# Altium PCB 10515.0500_Display_System（6拼版）_V1.0_20200907.PcbDoc (part 9 of 13)
Units mm, origin at the board's own origin, x right, y up, seen from the top; angles counter-clockwise.
Board outline 157 x 228.4 mm, 4 copper layers (Top Layer, Mid-Layer 1, Mid-Layer 2, Bottom Layer); 516 components, 0 nets, 1971 pads, 894 vias.
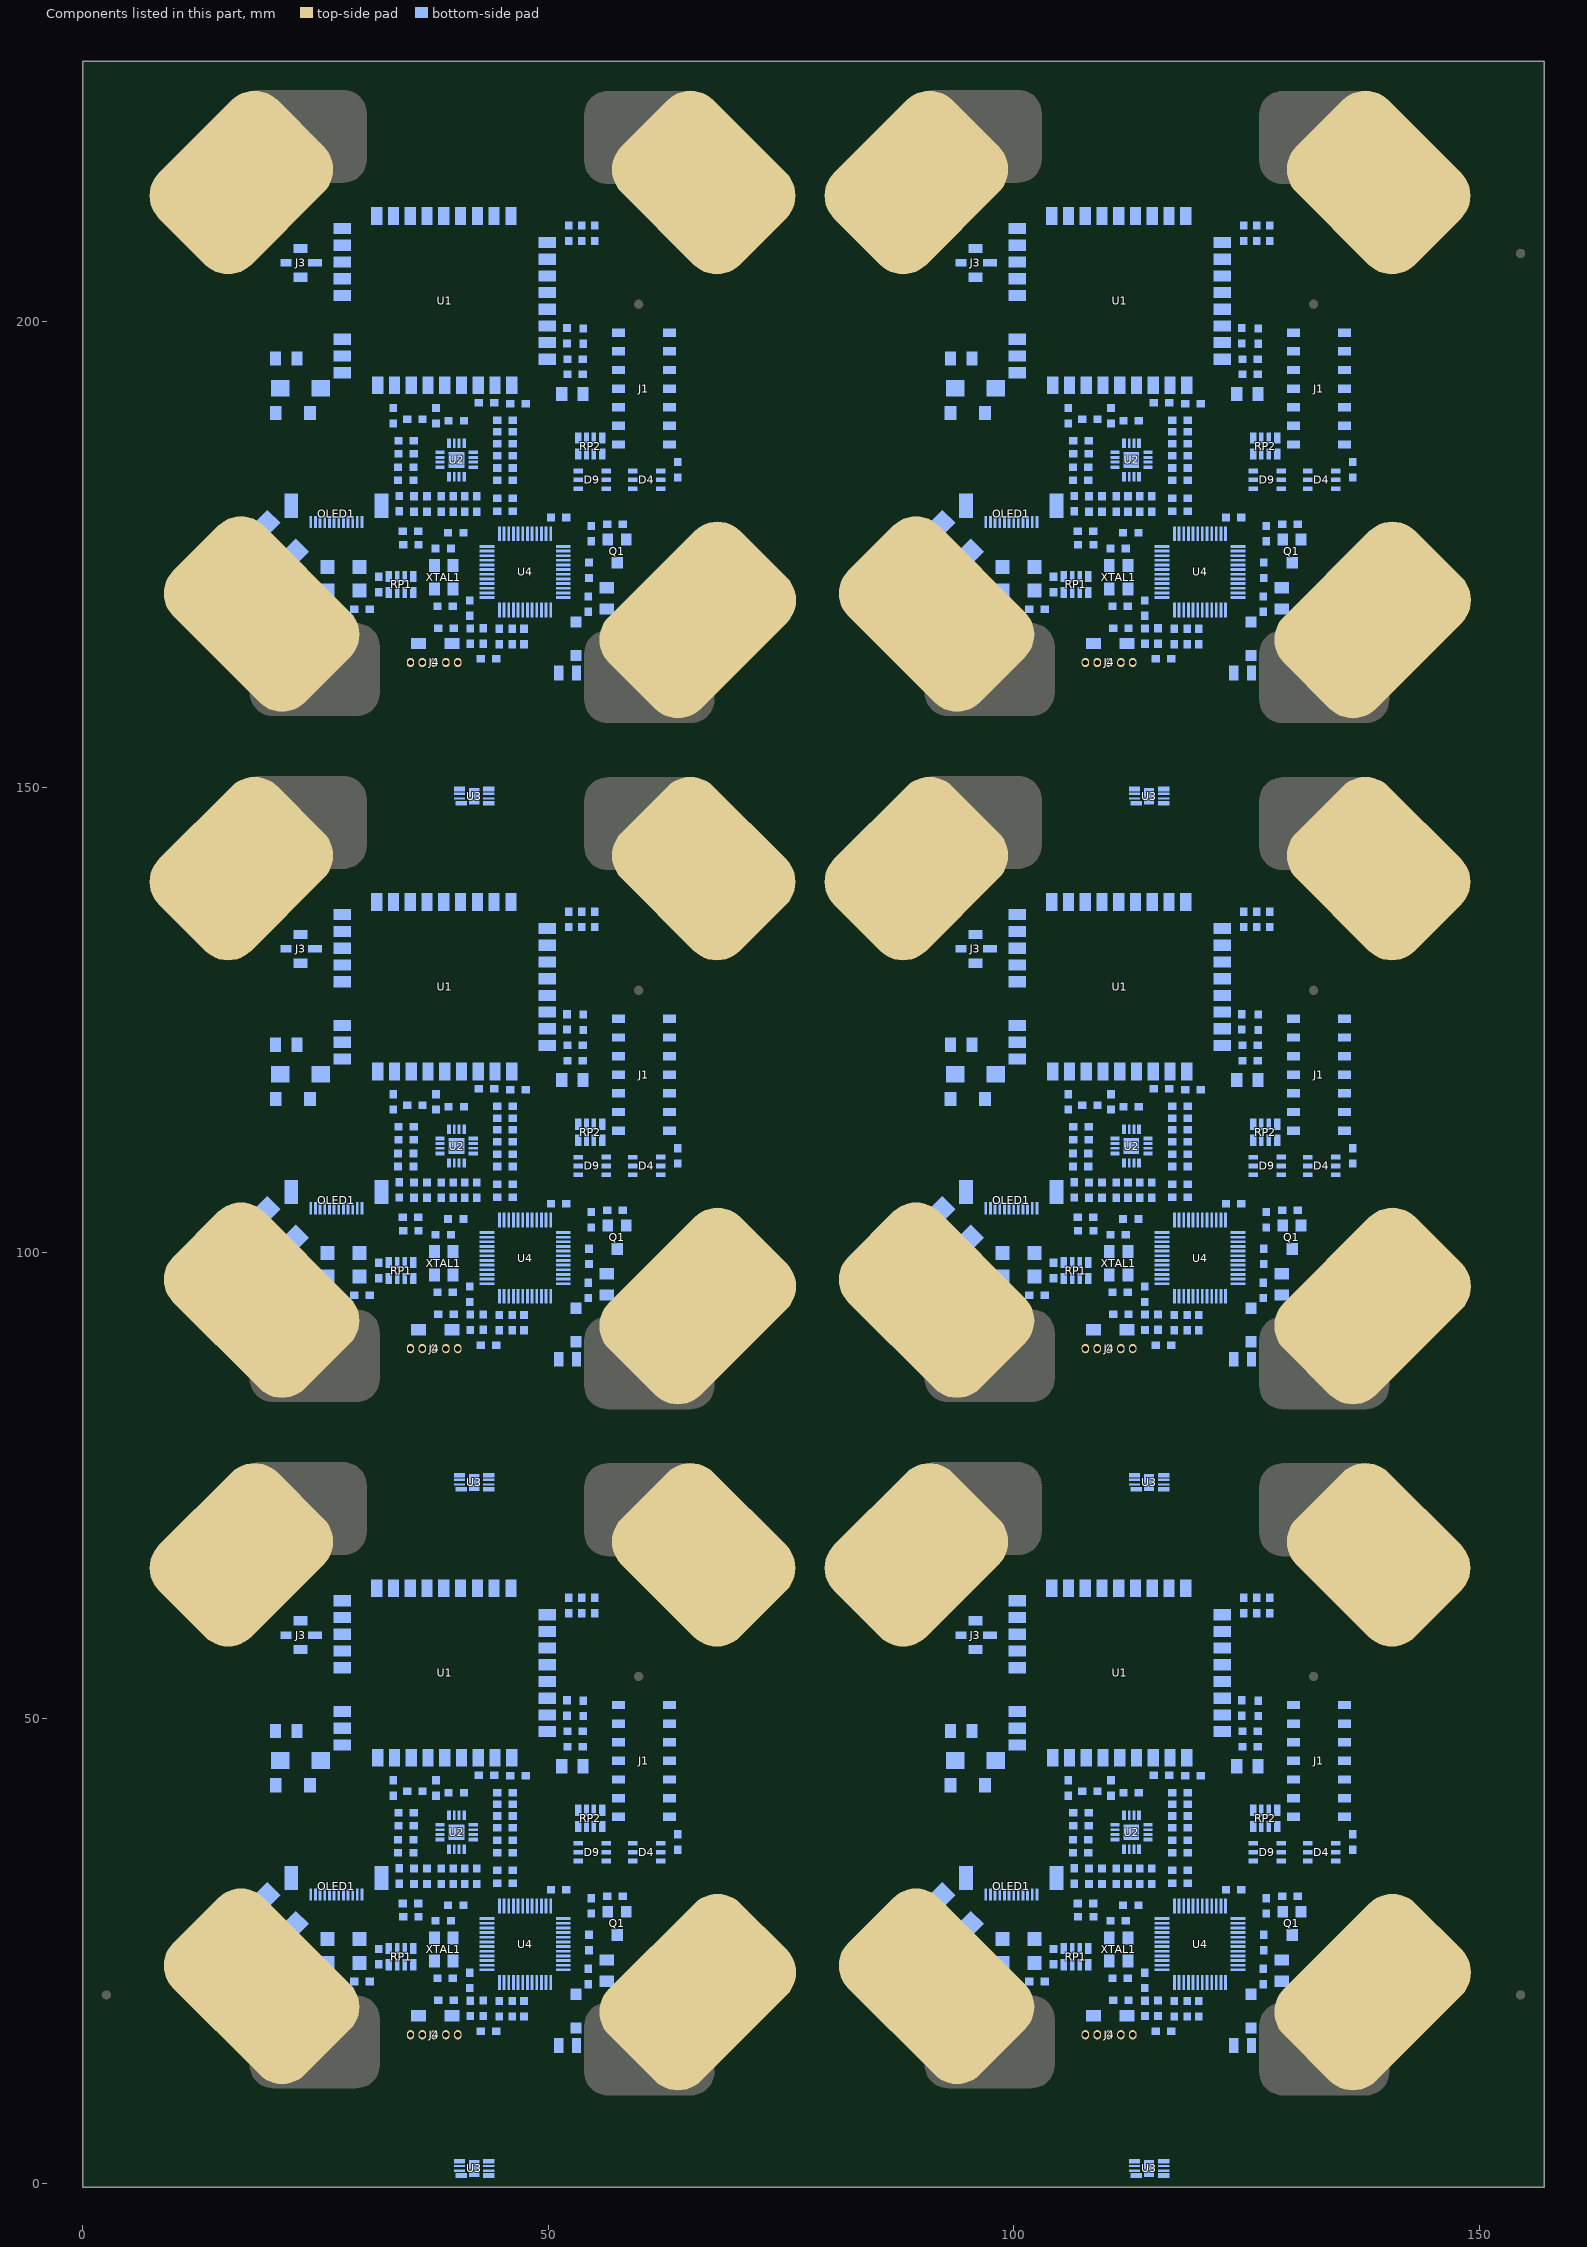
[diagram p11: the components of this part, seen from the top]

## Via types
v1: diameter 0.7, hole 0.4, Top Layer to Bottom Layer, tented both sides, 894 vias

## Nets (pads, with @x,y where several pads share a name; then routed paths per layer and width w, separated by ;. In a path a pad name is that pad's centre, name@x,y a point inside that pad or via, vN(x,y) a via of type N, cw(c..) or ccw(c..) an arc to the next point about the centre after c; other vN are vias at no path point) (continued)
copper on no net: (continued)
  Bottom Layer w0.25: 57.758,21.907 58.202,21.463 ; 57.758,95.607 58.202,95.163 ; 57.758,169.307 58.202,168.863 ; 57.948,21.717 58.202,21.463 ; 57.948,21.717 57.948,21.971 ; 57.948,21.971 58.075,21.844 ; 57.948,95.417 58.202,95.163 ; 57.948,95.417 57.948,95.671 ; 57.948,95.671 58.075,95.544 ; 57.948,169.117 58.202,168.863 ; 57.948,169.117 57.948,169.371 ; 57.948,169.371 58.075,169.244 ; 58.075,21.844 58.456,21.463 58.583,21.463 ; 58.075,95.544 58.456,95.163 58.583,95.163 ; 58.075,169.244 58.456,168.863 58.583,168.863 ; 58.202,21.463 58.583,21.463 ; 58.202,95.163 58.583,95.163 ; 58.202,168.863 58.583,168.863 ; 94.634,68.834 96.158,67.31 128.67,67.31 ; 94.634,142.534 96.158,141.01 128.67,141.01 ; 94.634,216.234 96.158,214.71 128.67,214.71 ; 94.787,57.378 94.354,57.811 94.354,58.928 94.354,59.918 94.914,60.478 ; 94.787,131.078 94.354,131.511 94.354,132.628 94.354,133.618 94.914,134.178 ; 94.787,204.778 94.354,205.211 94.354,206.328 94.354,207.318 94.914,207.878 ; 98.008,28.503 98.698,27.813 ; 98.008,102.203 98.698,101.513 ; 98.008,175.903 98.698,175.213 ; 98.698,27.813 98.952,27.559 ; 98.698,101.513 98.952,101.259 ; 98.698,175.213 98.952,174.959 ; 102.508,31.076 102.674,31.076 ; 102.508,31.076 102.801,31.076 103.016,30.861 ; 102.508,104.776 102.674,104.776 ; 102.508,104.776 102.801,104.776 103.016,104.561 ; 102.508,178.476 102.674,178.476 ; 102.508,178.476 102.801,178.476 103.016,178.261 ; 102.674,31.076 102.674,32.484 102.762,32.572 ; 102.674,104.776 102.674,106.184 102.762,106.272 ; 102.674,178.476 102.674,179.884 102.762,179.972 ; 102.762,32.258 102.762,32.572 ; 102.762,32.258 102.762,31.115 103.016,30.861 ; 102.762,105.958 102.762,106.272 ; 102.762,105.958 102.762,104.815 103.016,104.561 ; 102.762,179.658 102.762,179.972 ; 102.762,179.658 102.762,178.515 103.016,178.261 ; 104.032,29.972 104.413,29.972 ; 104.032,103.672 104.413,103.672 ; 104.032,177.372 104.413,177.372 ; 109.747,32.194 v1@110.382,32.194 ; 109.747,105.894 v1@110.382,105.894 ; 109.747,179.594 v1@110.382,179.594 ; 114.553,1.631 114.787,1.397 ; 114.553,75.331 114.787,75.097 ; 114.553,149.031 114.787,148.797 ; 118.637,19.431 118.637,19.621 ; 118.637,93.131 118.637,93.321 ; 118.637,166.831 118.637,167.021 ; 128.67,67.31 129.305,67.31 ; 128.67,141.01 129.305,141.01 ; 128.67,214.71 129.305,214.71 ; 129.305,66.929 129.305,67.31 ; 129.305,140.629 129.305,141.01 ; 129.305,214.329 129.305,214.71 ; v1@130.067,22.352 130.575,21.844 ; v1@130.067,96.052 130.575,95.544 ; v1@130.067,169.752 130.575,169.244 ; 130.258,21.907 130.702,21.463 ; 130.258,95.607 130.702,95.163 ; 130.258,169.307 130.702,168.863 ; 130.448,21.717 130.702,21.463 ; 130.448,21.717 130.448,21.971 ; 130.448,21.971 130.575,21.844 ; 130.448,95.417 130.702,95.163 ; 130.448,95.417 130.448,95.671 ; 130.448,95.671 130.575,95.544 ; 130.448,169.117 130.702,168.863 ; 130.448,169.117 130.448,169.371 ; 130.448,169.371 130.575,169.244 ; 130.575,21.844 130.956,21.463 131.083,21.463 ; 130.575,95.544 130.956,95.163 131.083,95.163 ; 130.575,169.244 130.956,168.863 131.083,168.863 ; 130.702,21.463 131.083,21.463 ; 130.702,95.163 131.083,95.163 ; 130.702,168.863 131.083,168.863 ; v1@57.576,22 cw(c57.607,21.249) 58.139,21.781 ccw(c57.607,21.249) v1@57.576,22 ; v1@57.576,95.7 cw(c57.607,94.949) 58.139,95.481 ccw(c57.607,94.949) v1@57.576,95.7 ; v1@57.576,169.4 cw(c57.607,168.649) 58.139,169.181 ccw(c57.607,168.649) v1@57.576,169.4 ; v1@130.076,22 cw(c130.107,21.249) 130.639,21.781 ccw(c130.107,21.249) v1@130.076,22 ; v1@130.076,95.7 cw(c130.107,94.949) 130.639,95.481 ccw(c130.107,94.949) v1@130.076,95.7 ; v1@130.076,169.4 cw(c130.107,168.649) 130.639,169.181 ccw(c130.107,168.649) v1@130.076,169.4
  Bottom Layer w0.3: 22.681,27.257 cw(c22.203,26.439) 23.15,26.439 cw(c24.36,26.439) 23.557,27.343 ; 22.681,100.957 cw(c22.203,100.139) 23.15,100.139 cw(c24.36,100.139) 23.557,101.043 ; 22.681,174.657 cw(c22.203,173.839) 23.15,173.839 cw(c24.36,173.839) 23.557,174.743 ; 22.832,27.516 cw(c22.508,26.961) 23.15,26.961 ; 22.832,101.216 cw(c22.508,100.661) 23.15,100.661 ; 22.832,174.916 cw(c22.508,174.361) 23.15,174.361 ; 22.878,27.176 cw(c22.591,26.017) 23.785,26.017 ; 22.878,100.876 cw(c22.591,99.717) 23.785,99.717 ; 22.878,174.576 cw(c22.591,173.417) 23.785,173.417 ; 22.893,27.486 cw(c22.219,25.781) 24.052,25.781 ; 22.893,101.186 cw(c22.219,99.481) 24.052,99.481 ; 22.893,174.886 cw(c22.219,173.181) 24.052,173.181 ; 22.951,27.467 cw(c22.686,26.4) 23.785,26.4 ; 22.951,101.167 cw(c22.686,100.1) 23.785,100.1 ; 22.951,174.867 cw(c22.686,173.8) 23.785,173.8 ; 22.988,27.975 23.785,27.178 ; 22.988,101.675 23.785,100.878 ; 22.988,175.375 23.785,174.578 ; 23.004,27.765 cw(c22.393,26.223) 24.052,26.223 ; 23.004,101.465 cw(c22.393,99.923) 24.052,99.923 ; 23.004,175.165 cw(c22.393,173.623) 24.052,173.623 ; 23.023,27.759 cw(c22.781,26.784) 23.785,26.784 ; 23.023,101.459 cw(c22.781,100.484) 23.785,100.484 ; 23.023,175.159 cw(c22.781,174.184) 23.785,174.184 ; 23.095,28.05 cw(c22.876,27.167) 23.785,27.167 ; 23.095,101.75 cw(c22.876,100.867) 23.785,100.867 ; 23.095,175.45 cw(c22.876,174.567) 23.785,174.567 ; 23.114,28.044 cw(c22.568,26.664) 24.052,26.664 ; 23.114,101.744 cw(c22.568,100.364) 24.052,100.364 ; 23.114,175.444 cw(c22.568,174.064) 24.052,174.064 ; 23.15,26.797 23.595,26.352 23.595,26.797 ; 23.15,27.686 23.15,26.441 24.052,25.54 ; 23.15,100.497 23.595,100.052 23.595,100.497 ; 23.15,101.386 23.15,100.141 24.052,99.24 ; 23.15,174.197 23.595,173.752 23.595,174.197 ; 23.15,175.086 23.15,173.841 24.052,172.94 ; 23.225,28.323 cw(c22.743,27.105) 24.052,27.105 ; 23.225,102.023 cw(c22.743,100.805) 24.052,100.805 ; 23.225,175.723 cw(c22.743,174.505) 24.052,174.505 ; 23.335,28.602 cw(c22.918,27.547) 24.052,27.547 ; 23.335,102.302 cw(c22.918,101.247) 24.052,101.247 ; 23.335,176.002 cw(c22.918,174.947) 24.052,174.947 ; 23.404,26.797 23.595,26.797 ; 23.404,27.051 23.595,27.051 ; 23.404,100.497 23.595,100.497 ; 23.404,100.751 23.595,100.751 ; 23.404,174.197 23.595,174.197 ; 23.404,174.451 23.595,174.451 ; 23.595,27.241 23.595,27.051 ; 23.595,100.941 23.595,100.751 ; 23.595,174.641 23.595,174.451 ; 23.785,26.162 23.785,27.178 ; 23.785,99.862 23.785,100.878 ; 23.785,173.562 23.785,174.578 ; 23.912,26.035 23.912,27.051 23.785,27.178 ; 23.912,99.735 23.912,100.751 23.785,100.878 ; 23.912,173.435 23.912,174.451 23.785,174.578 ; 24.052,27.813 24.052,25.54 ; 24.052,101.513 24.052,99.24 ; 24.052,175.213 24.052,172.94 ; 24.538,25.053 ccw(c26.3,26.816) 26.3,24.324 ; 24.538,98.753 ccw(c26.3,100.516) 26.3,98.024 ; 24.538,172.453 ccw(c26.3,174.216) 26.3,171.724 ; 25.008,29.972 24.801,29.765 24.801,25.527 26.3,24.028 ; 25.008,31.076 25.008,25.32 26.046,24.282 ; 25.008,103.672 24.801,103.465 24.801,99.227 26.3,97.728 ; 25.008,104.776 25.008,99.02 26.046,97.982 ; 25.008,177.372 24.801,177.165 24.801,172.927 26.3,171.428 ; 25.008,178.476 25.008,172.72 26.046,171.682 ; 25.05,24.541 ccw(c26.3,25.791) 26.3,24.024 ; 25.05,98.241 ccw(c26.3,99.491) 26.3,97.724 ; 25.05,171.941 ccw(c26.3,173.191) 26.3,171.424 ; 25.562,24.029 ccw(c26.3,24.767) 26.3,23.724 ; 25.562,97.729 ccw(c26.3,98.467) 26.3,97.424 ; 25.562,171.429 ccw(c26.3,172.167) 26.3,171.124 ; 25.582,24.01 cw(c25.295,23.724) 25.7,23.724 ; 25.582,97.71 cw(c25.295,97.424) 25.7,97.424 ; 25.582,171.41 cw(c25.295,171.124) 25.7,171.124 ; 26.579,23.216 26.478,23.114 24.052,25.54 ; 26.579,96.916 26.478,96.814 24.052,99.24 ; 26.579,170.616 26.478,170.514 24.052,172.94 ; v1@40.662,8.368 cw(c40.32,8.026) 40.803,8.026 cw(c41.286,8.026) v1@40.945,8.368 ; v1@40.662,82.068 cw(c40.32,81.726) 40.803,81.726 cw(c41.286,81.726) v1@40.945,82.068 ; v1@40.662,155.768 cw(c40.32,155.426) 40.803,155.426 cw(c41.286,155.426) v1@40.945,155.768 ; v1(40.803,8.509) 40.803,4.699 41.311,4.191 43.47,4.191 43.63,4.031 43.63,2.54 ; v1(40.803,82.209) 40.803,78.399 41.311,77.891 43.47,77.891 43.63,77.731 43.63,76.24 ; v1(40.803,155.909) 40.803,152.099 41.311,151.591 43.47,151.591 43.63,151.431 43.63,149.94 ; 95.181,27.257 cw(c94.703,26.439) 95.65,26.439 cw(c96.86,26.439) 96.057,27.343 ; 95.181,100.957 cw(c94.703,100.139) 95.65,100.139 cw(c96.86,100.139) 96.057,101.043 ; 95.181,174.657 cw(c94.703,173.839) 95.65,173.839 cw(c96.86,173.839) 96.057,174.743 ; 95.332,27.516 cw(c95.008,26.961) 95.65,26.961 ; 95.332,101.216 cw(c95.008,100.661) 95.65,100.661 ; 95.332,174.916 cw(c95.008,174.361) 95.65,174.361 ; 95.378,27.176 cw(c95.091,26.017) 96.285,26.017 ; 95.378,100.876 cw(c95.091,99.717) 96.285,99.717 ; 95.378,174.576 cw(c95.091,173.417) 96.285,173.417 ; 95.393,27.486 cw(c94.719,25.781) 96.552,25.781 ; 95.393,101.186 cw(c94.719,99.481) 96.552,99.481 ; 95.393,174.886 cw(c94.719,173.181) 96.552,173.181 ; 95.451,27.467 cw(c95.186,26.4) 96.285,26.4 ; 95.451,101.167 cw(c95.186,100.1) 96.285,100.1 ; 95.451,174.867 cw(c95.186,173.8) 96.285,173.8 ; 95.488,27.975 96.285,27.178 ; 95.488,101.675 96.285,100.878 ; 95.488,175.375 96.285,174.578 ; 95.504,27.765 cw(c94.893,26.223) 96.552,26.223 ; 95.504,101.465 cw(c94.893,99.923) 96.552,99.923 ; 95.504,175.165 cw(c94.893,173.623) 96.552,173.623 ; 95.523,27.759 cw(c95.281,26.784) 96.285,26.784 ; 95.523,101.459 cw(c95.281,100.484) 96.285,100.484 ; 95.523,175.159 cw(c95.281,174.184) 96.285,174.184 ; 95.595,28.05 cw(c95.376,27.167) 96.285,27.167 ; 95.595,101.75 cw(c95.376,100.867) 96.285,100.867 ; 95.595,175.45 cw(c95.376,174.567) 96.285,174.567 ; 95.614,28.044 cw(c95.068,26.664) 96.552,26.664 ; 95.614,101.744 cw(c95.068,100.364) 96.552,100.364 ; 95.614,175.444 cw(c95.068,174.064) 96.552,174.064 ; 95.65,26.797 96.095,26.352 96.095,26.797 ; 95.65,27.686 95.65,26.441 96.552,25.54 ; 95.65,100.497 96.095,100.052 96.095,100.497 ; 95.65,101.386 95.65,100.141 96.552,99.24 ; 95.65,174.197 96.095,173.752 96.095,174.197 ; 95.65,175.086 95.65,173.841 96.552,172.94 ; 95.725,28.323 cw(c95.243,27.105) 96.552,27.105 ; 95.725,102.023 cw(c95.243,100.805) 96.552,100.805 ; 95.725,175.723 cw(c95.243,174.505) 96.552,174.505 ; 95.835,28.602 cw(c95.418,27.547) 96.552,27.547 ; 95.835,102.302 cw(c95.418,101.247) 96.552,101.247 ; 95.835,176.002 cw(c95.418,174.947) 96.552,174.947 ; 95.904,26.797 96.095,26.797 ; 95.904,27.051 96.095,27.051 ; 95.904,100.497 96.095,100.497 ; 95.904,100.751 96.095,100.751 ; 95.904,174.197 96.095,174.197 ; 95.904,174.451 96.095,174.451 ; 96.095,27.241 96.095,27.051 ; 96.095,100.941 96.095,100.751 ; 96.095,174.641 96.095,174.451 ; 96.285,26.162 96.285,27.178 ; 96.285,99.862 96.285,100.878 ; 96.285,173.562 96.285,174.578 ; 96.412,26.035 96.412,27.051 96.285,27.178 ; 96.412,99.735 96.412,100.751 96.285,100.878 ; 96.412,173.435 96.412,174.451 96.285,174.578 ; 96.552,27.813 96.552,25.54 ; 96.552,101.513 96.552,99.24 ; 96.552,175.213 96.552,172.94 ; 97.038,25.053 ccw(c98.8,26.816) 98.8,24.324 ; 97.038,98.753 ccw(c98.8,100.516) 98.8,98.024 ; 97.038,172.453 ccw(c98.8,174.216) 98.8,171.724 ; 97.508,29.972 97.301,29.765 97.301,25.527 98.8,24.028 ; 97.508,31.076 97.508,25.32 98.546,24.282 ; 97.508,103.672 97.301,103.465 97.301,99.227 98.8,97.728 ; 97.508,104.776 97.508,99.02 98.546,97.982 ; 97.508,177.372 97.301,177.165 97.301,172.927 98.8,171.428 ; 97.508,178.476 97.508,172.72 98.546,171.682 ; 97.55,24.541 ccw(c98.8,25.791) 98.8,24.024 ; 97.55,98.241 ccw(c98.8,99.491) 98.8,97.724 ; 97.55,171.941 ccw(c98.8,173.191) 98.8,171.424 ; 98.062,24.029 ccw(c98.8,24.767) 98.8,23.724 ; 98.062,97.729 ccw(c98.8,98.467) 98.8,97.424 ; 98.062,171.429 ccw(c98.8,172.167) 98.8,171.124 ; 98.082,24.01 cw(c97.795,23.724) 98.2,23.724 ; 98.082,97.71 cw(c97.795,97.424) 98.2,97.424 ; 98.082,171.41 cw(c97.795,171.124) 98.2,171.124 ; 99.079,23.216 98.978,23.114 96.552,25.54 ; 99.079,96.916 98.978,96.814 96.552,99.24 ; 99.079,170.616 98.978,170.514 96.552,172.94 ; v1@113.162,8.368 cw(c112.82,8.026) 113.303,8.026 cw(c113.786,8.026) v1@113.445,8.368 ; v1@113.162,82.068 cw(c112.82,81.726) 113.303,81.726 cw(c113.786,81.726) v1@113.445,82.068 ; v1@113.162,155.768 cw(c112.82,155.426) 113.303,155.426 cw(c113.786,155.426) v1@113.445,155.768 ; v1(113.303,8.509) 113.303,4.699 113.811,4.191 115.97,4.191 116.13,4.031 116.13,2.54 ; v1(113.303,82.209) 113.303,78.399 113.811,77.891 115.97,77.891 116.13,77.731 116.13,76.24 ; v1(113.303,155.909) 113.303,152.099 113.811,151.591 115.97,151.591 116.13,151.431 116.13,149.94 ; 23.595,26.797 23.595,27.051 ; 23.595,100.497 23.595,100.751 ; 23.595,174.197 23.595,174.451 ; 25.7,23.724 ccw(c23.517,23.724) 25.061,25.268 cw(c23.517,23.724) 25.7,23.724 ; 25.7,97.424 ccw(c23.517,97.424) 25.061,98.968 cw(c23.517,97.424) 25.7,97.424 ; 25.7,171.124 ccw(c23.517,171.124) 25.061,172.668 cw(c23.517,171.124) 25.7,171.124 ; 26.3,23.724 26.3,24.028 ; 26.3,23.724 26.3,24.028 ; 26.3,24.324 cw(c26.3,25.037) 25.796,24.533 ccw(c26.3,25.037) 26.3,24.324 ; 26.3,97.424 26.3,97.728 ; 26.3,97.424 26.3,97.728 ; 26.3,98.024 cw(c26.3,98.737) 25.796,98.233 ccw(c26.3,98.737) 26.3,98.024 ; 26.3,171.124 26.3,171.428 ; 26.3,171.124 26.3,171.428 ; 26.3,171.724 cw(c26.3,172.437) 25.796,171.933 ccw(c26.3,172.437) 26.3,171.724 ; 96.095,26.797 96.095,27.051 ; 96.095,100.497 96.095,100.751 ; 96.095,174.197 96.095,174.451 ; 98.2,23.724 ccw(c96.017,23.724) 97.561,25.268 cw(c96.017,23.724) 98.2,23.724 ; 98.2,97.424 ccw(c96.017,97.424) 97.561,98.968 cw(c96.017,97.424) 98.2,97.424 ; 98.2,171.124 ccw(c96.017,171.124) 97.561,172.668 cw(c96.017,171.124) 98.2,171.124 ; 98.8,23.724 98.8,24.028 ; 98.8,23.724 98.8,24.028 ; 98.8,24.324 cw(c98.8,25.037) 98.296,24.533 ccw(c98.8,25.037) 98.8,24.324 ; 98.8,97.424 98.8,97.728 ; 98.8,97.424 98.8,97.728 ; 98.8,98.024 cw(c98.8,98.737) 98.296,98.233 ccw(c98.8,98.737) 98.8,98.024 ; 98.8,171.124 98.8,171.428 ; 98.8,171.124 98.8,171.428 ; 98.8,171.724 cw(c98.8,172.437) 98.296,171.933 ccw(c98.8,172.437) 98.8,171.724 ; 25.573,24.755 cw(c24.541,23.724) 26,23.724 ccw(c24.541,23.724) 25.573,24.755 ; 25.573,98.455 cw(c24.541,97.424) 26,97.424 ccw(c24.541,97.424) 25.573,98.455 ; 25.573,172.155 cw(c24.541,171.124) 26,171.124 ccw(c24.541,171.124) 25.573,172.155 ; 98.073,24.755 cw(c97.041,23.724) 98.5,23.724 ccw(c97.041,23.724) 98.073,24.755 ; 98.073,98.455 cw(c97.041,97.424) 98.5,97.424 ccw(c97.041,97.424) 98.073,98.455 ; 98.073,172.155 cw(c97.041,171.124) 98.5,171.124 ccw(c97.041,171.124) 98.073,172.155
  Bottom Layer w0.35: 62.091,36.576 63.219,36.576 63.917,35.877 ; 62.091,110.276 63.219,110.276 63.917,109.577 ; 62.091,183.976 63.219,183.976 63.917,183.277 ; 63.262,41.482 cw(c63.543,41.066) 63.898,41.421 ; 63.262,115.182 cw(c63.543,114.766) 63.898,115.121 ; 63.262,188.882 cw(c63.543,188.466) 63.898,188.821 ; 63.301,41.494 cw(c63.349,40.349) 64.16,41.16 ; 63.301,115.194 cw(c63.349,114.049) 64.16,114.86 ; 63.301,188.894 cw(c63.349,187.749) 64.16,188.56 ; 63.304,41.144 cw(c63.304,39.961) 64.14,40.798 ; 63.304,114.844 cw(c63.304,113.661) 64.14,114.498 ; 63.304,188.544 cw(c63.304,187.361) 64.14,188.198 ; 63.457,36.338 ccw(c63.917,36.798) 63.917,36.147 ; 63.458,41.192 cw(c63.785,40.709) 64.198,41.121 ; 63.457,110.038 ccw(c63.917,110.498) 63.917,109.847 ; 63.458,114.892 cw(c63.785,114.409) 64.198,114.821 ; 63.457,183.738 ccw(c63.917,184.198) 63.917,183.547 ; 63.458,188.592 cw(c63.785,188.109) 64.198,188.521 ; 63.513,41.241 cw(c63.9,40.911) 63.9,41.419 ; 63.513,41.598 ccw(c63.9,41.928) 63.9,41.419 ; 63.513,114.941 cw(c63.9,114.611) 63.9,115.119 ; 63.513,115.298 ccw(c63.9,115.628) 63.9,115.119 ; 63.513,188.641 cw(c63.9,188.311) 63.9,188.819 ; 63.513,188.998 ccw(c63.9,189.328) 63.9,188.819 ; 63.549,36.246 cw(c63.219,35.916) 63.686,35.916 ; 63.549,109.946 cw(c63.219,109.616) 63.686,109.616 ; 63.549,183.646 cw(c63.219,183.316) 63.686,183.316 ; 63.754,37.73 ccw(c62.132,39.352) 64.425,39.352 ; 63.754,111.43 ccw(c62.132,113.052) 64.425,113.052 ; 63.754,185.13 ccw(c62.132,186.752) 64.425,186.752 ; 63.917,37.529 64.425,38.036 64.425,40.894 63.9,41.419 ; 63.917,111.228 64.425,111.736 64.425,114.594 63.9,115.119 ; 63.917,184.928 64.425,185.436 64.425,188.294 63.9,188.819 ; 64.001,37.483 ccw(c62.977,38.507) 64.425,38.507 ; 64.001,111.183 ccw(c62.977,112.207) 64.425,112.207 ; 64.001,184.883 ccw(c62.977,185.907) 64.425,185.907 ; 64.425,40.513 63.519,41.419 63.054,41.419 63.9,41.419 ; 64.425,114.213 63.519,115.119 63.054,115.119 63.9,115.119 ; 64.425,187.913 63.519,188.819 63.054,188.819 63.9,188.819 ; 134.591,36.576 135.719,36.576 136.417,35.877 ; 134.591,110.276 135.719,110.276 136.417,109.577 ; 134.591,183.976 135.719,183.976 136.417,183.277 ; 135.762,41.482 cw(c136.043,41.066) 136.398,41.421 ; 135.762,115.182 cw(c136.043,114.766) 136.398,115.121 ; 135.762,188.882 cw(c136.043,188.466) 136.398,188.821 ; 135.801,41.494 cw(c135.849,40.349) 136.66,41.16 ; 135.801,115.194 cw(c135.849,114.049) 136.66,114.86 ; 135.801,188.894 cw(c135.849,187.749) 136.66,188.56 ; 135.804,41.144 cw(c135.804,39.961) 136.64,40.798 ; 135.804,114.844 cw(c135.804,113.661) 136.64,114.498 ; 135.804,188.544 cw(c135.804,187.361) 136.64,188.198 ; 135.957,36.338 ccw(c136.417,36.798) 136.417,36.147 ; 135.957,110.038 ccw(c136.417,110.498) 136.417,109.847 ; 135.957,183.738 ccw(c136.417,184.198) 136.417,183.547 ; 135.958,41.192 cw(c136.285,40.709) 136.698,41.121 ; 135.958,114.892 cw(c136.285,114.409) 136.698,114.821 ; 135.958,188.592 cw(c136.285,188.109) 136.698,188.521 ; 136.013,41.241 cw(c136.4,40.911) 136.4,41.419 ; 136.013,41.598 ccw(c136.4,41.928) 136.4,41.419 ; 136.013,114.941 cw(c136.4,114.611) 136.4,115.119 ; 136.013,115.298 ccw(c136.4,115.628) 136.4,115.119 ; 136.013,188.641 cw(c136.4,188.311) 136.4,188.819 ; 136.013,188.998 ccw(c136.4,189.328) 136.4,188.819 ; 136.049,36.246 cw(c135.719,35.916) 136.186,35.916 ; 136.049,109.946 cw(c135.719,109.616) 136.186,109.616 ; 136.049,183.646 cw(c135.719,183.316) 136.186,183.316 ; 136.254,37.73 ccw(c134.632,39.352) 136.925,39.352 ; 136.254,111.43 ccw(c134.632,113.052) 136.925,113.052 ; 136.254,185.13 ccw(c134.632,186.752) 136.925,186.752 ; 136.417,37.529 136.925,38.036 136.925,40.894 136.4,41.419 ; 136.417,111.228 136.925,111.736 136.925,114.594 136.4,115.119 ; 136.417,184.928 136.925,185.436 136.925,188.294 136.4,188.819 ; 136.501,37.483 ccw(c135.477,38.507) 136.925,38.507 ; 136.501,111.183 ccw(c135.477,112.207) 136.925,112.207 ; 136.501,184.883 ccw(c135.477,185.907) 136.925,185.907 ; 136.925,40.513 136.019,41.419 135.554,41.419 136.4,41.419 ; 136.925,114.213 136.019,115.119 135.554,115.119 136.4,115.119 ; 136.925,187.913 136.019,188.819 135.554,188.819 136.4,188.819
  Bottom Layer w0.4: v1(61.057,35.621) 62.091,35.621 ; v1(61.057,109.321) 62.091,109.321 ; v1(61.057,183.021) 62.091,183.021 ; v1@61.163,35.515 cw(c61.419,35.259) 61.419,35.621 cw(c61.419,35.983) v1@61.163,35.727 ; v1@61.163,109.215 cw(c61.419,108.959) 61.419,109.321 cw(c61.419,109.683) v1@61.163,109.427 ; v1@61.163,182.915 cw(c61.419,182.659) 61.419,183.021 cw(c61.419,183.383) v1@61.163,183.127 ; v1(133.557,35.621) 134.591,35.621 ; v1(133.557,109.321) 134.591,109.321 ; v1(133.557,183.021) 134.591,183.021 ; v1@133.663,35.515 cw(c133.919,35.259) 133.919,35.621 cw(c133.919,35.983) v1@133.663,35.727 ; v1@133.663,109.215 cw(c133.919,108.959) 133.919,109.321 cw(c133.919,109.683) v1@133.663,109.427 ; v1@133.663,182.915 cw(c133.919,182.659) 133.919,183.021 cw(c133.919,183.383) v1@133.663,183.127